# Altium PCB main.PcbDoc (part 5 of 5)
Units mm, origin at the board's own origin, x right, y up, seen from the top; angles counter-clockwise.
Board outline 54 x 86 mm, 8 copper layers (L1, L2, L3, L4, L5, L6, L7, L8), stack 1.624 mm thick; 313 components, 261 nets, 1426 pads, 897 vias.
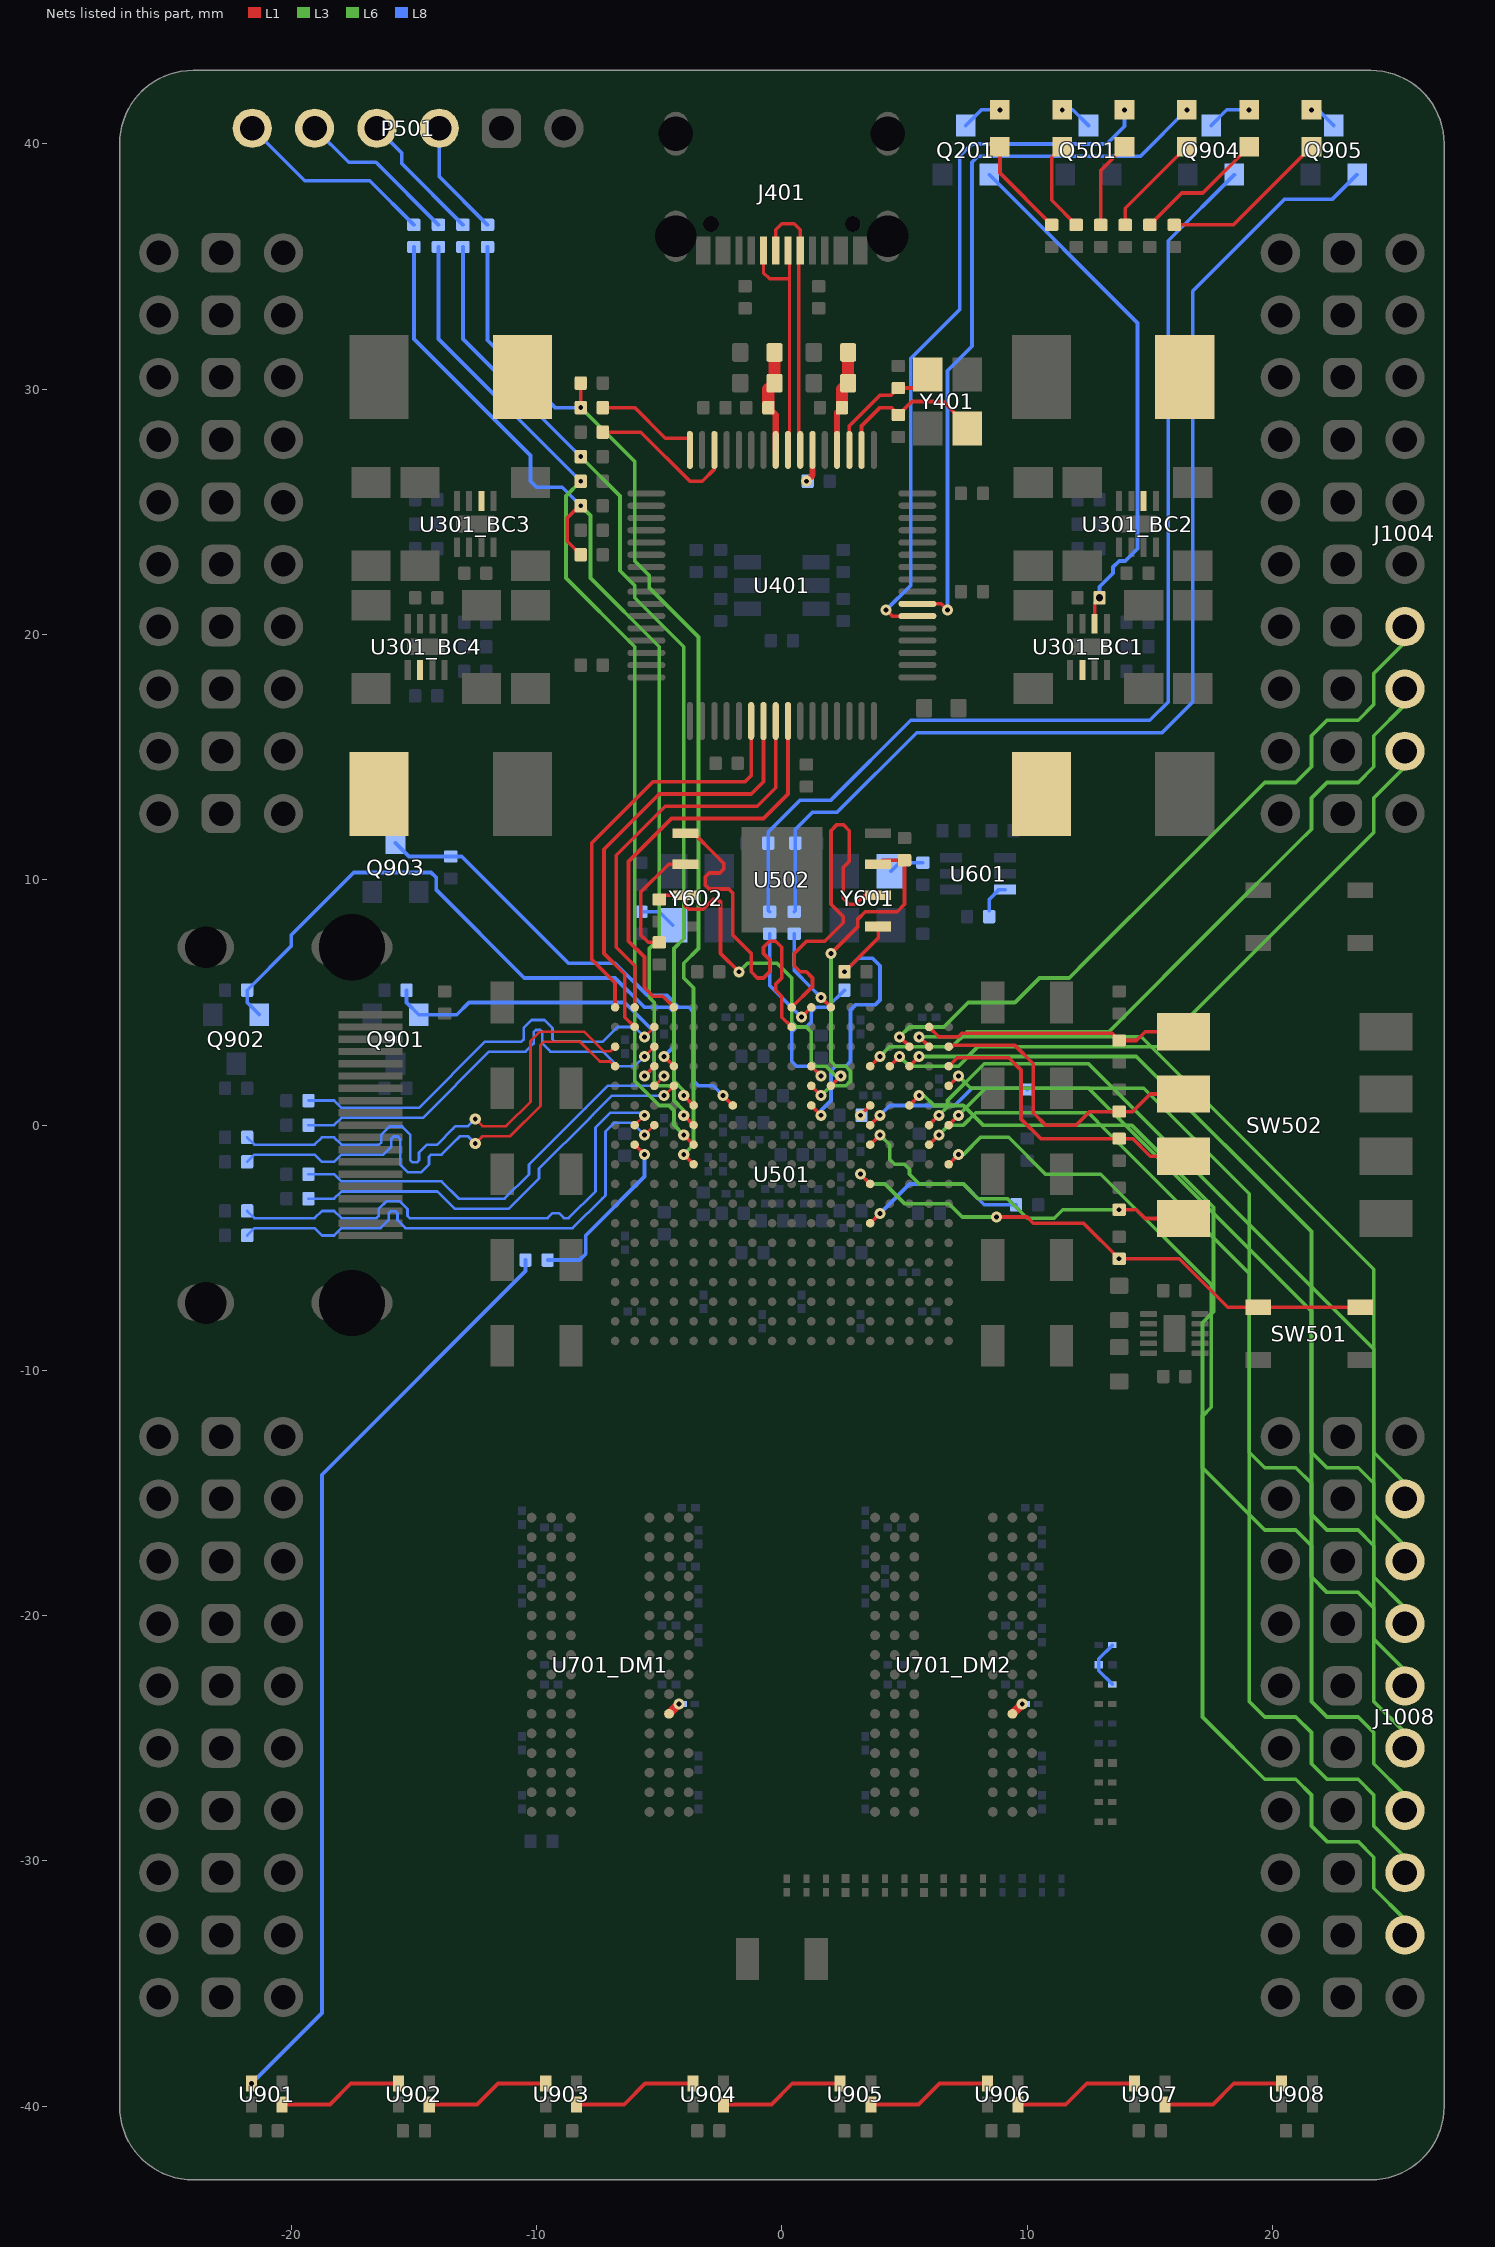
[diagram p11: the nets of this part, all layers, seen from the top]

## Via types
v1: diameter 0.45/0/0/0/0/0/0/0.45 (per signal layer), hole 0.2, L1 to L8, tented both sides, 459 vias
v2: diameter 0.45/0/0/0/0/0/0/0.45 (per signal layer), hole 0.3, L1 to L8, tented both sides, 203 vias
v3: diameter 0.45/0/0/0/0/0.45/0/0.45 (per signal layer), hole 0.2, L1 to L8, tented both sides, 98 vias
v4: diameter 0.5/0/0/0/0/0/0/0.5 (per signal layer), hole 0.3, L1 to L8, tented both sides, 72 vias
v5: diameter 0.45/0/0.45/0/0/0/0/0.45 (per signal layer), hole 0.2, L1 to L8, tented both sides, 58 vias
v6: diameter 0.45/0/0.45/0/0/0.45/0/0.45 (per signal layer), hole 0.2, L1 to L8, tented both sides, 6 vias
v7: diameter 0.45/0/0.45/0/0/0/0/0.45 (per signal layer), hole 0.3, L1 to L8, tented both sides, 1 vias

## Nets (pads, with @x,y where several pads share a name; then routed paths per layer and width w, separated by ;. In a path a pad name is that pad's centre, name@x,y a point inside that pad or via, vN(x,y) a via of type N, cw(c..) or ccw(c..) an arc to the next point about the centre after c; other vN are vias at no path point) (continued)
GPIO53: J1004.7 U501.T16 | length 30
  L1 w0.15: v3(4.8,3.6) U501.T16@5.2,3.2
  L6 w0.15: v3(4.8,3.6) 5.2,4 6.6,4 7.6,5 9.5,5 10.5,6 11.715,6 12.482,6.767 15.983,10.268 19.685,13.97 20.955,13.97 21.59,14.605 21.59,15.875 22.225,16.51 23.495,16.51 24.13,17.145 24.13,18.415 25.4,19.685 J1004.7@25.4,20.32
GPIO54: J1004.8 U501.P15 | length 30
  L1 w0.15: U501.P15@3.6,2.4 v3(4,2.8)
  L6 w0.15: v3(4,2.8) 4.4,3.2 6.95,3.2 7.55,3.8 13.325,3.8 17.762,8.237 21.013,11.488 21.59,12.065 21.59,13.335 22.225,13.97 23.495,13.97 24.13,14.605 24.13,15.875 25.4,17.145 J1004.8@25.4,17.78
GPIO55: J1004.9 U501.R15 | length 27.8
  L1 w0.15: U501.R15@4.4,2.4 v3(4.8,2.8)
  L6 w0.15: v3(4.8,2.8) 5.2,2.4 7.2,2.4 8,3.2 15.4,3.2 15.975,3.775 19.6,7.4 24.13,11.93 24.13,13.335 25.4,14.605 J1004.9@25.4,15.24
GPIO56: J1008.2 U501.U12 | length 30.8
  L1 w0.15: U501.U12@6,0 v3(6.4,0.4)
  L6 w0.15: v3(6.4,0.4) 6.75,0.75 6.75,1 8.25,2.5 12.5,2.5 24.13,-9.13 24.13,-13.335 25.4,-14.605 J1008.2@25.4,-15.24
GPIO57: J1008.3 U501.V12 | length 31.7
  L1 w0.15: U501.V12@6.8,0 v3(7.2,0.4)
  L6 w0.15: v3(7.2,0.4) 7.6,0.8 8.3,1.5 12.5,1.5 21.59,-7.59 21.59,-11.5 21.59,-13.335 22.225,-13.97 23.495,-13.97 24.13,-14.605 24.13,-15.875 25.4,-17.145 J1008.3@25.4,-17.78
GPIO58: J1008.4 U501.U11 | length 34.7
  L1 w0.15: U501.U11@6,-0.8 v3(6.4,-0.4)
  L6 w0.15: v3(6.4,-0.4) 6.8,0 7.4,0 7.9,0.5 9.25,0.5 12.5,0.5 13.25,-0.25 19.05,-6.05 19.05,-6.25 19.05,-9.5 19.05,-10.25 19.05,-12 19.05,-13.335 19.685,-13.97 20.955,-13.97 21.59,-14.605 21.59,-15.875 22.225,-16.51 23.495,-16.51 24.13,-17.145 24.13,-18.415 25.4,-19.685 J1008.4@25.4,-20.32
GPIO59: J1008.5 U501.V10 | length 35.1
  L1 w0.15: U501.V10@6.8,-1.6 v3(7.2,-1.2)
  L6 w0.15: v3(7.2,-1.2) 7.4,-1.2 8.1,-0.5 9.25,-0.5 10.75,-2 13,-2 17.5,-6.5 17.5,-11.5 17.145,-11.855 17.145,-13.97 19.685,-16.51 20.955,-16.51 21.59,-17.145 21.59,-18.415 22.225,-19.05 23.495,-19.05 24.13,-19.685 24.13,-20.955 25.4,-22.225 J1008.5@25.4,-22.86
GPIO60: J1008.6 U501.U16 | length 43.1
  L1 w0.15: v5(5.6,3.6) U501.U16@6,3.2
  L3 w0.15: v5(5.6,3.6) 7.65,3.6 14.65,3.6 24.13,-5.88 24.13,-23.495 25.4,-24.765 J1008.6@25.4,-25.4
GPIO61: J1008.7 U501.T15 | length 45.4
  L1 w0.15: U501.T15@5.2,2.4 v5(5.6,2.8)
  L3 w0.15: v5(5.6,2.8) 7.6,2.8 14.45,2.8 21.59,-4.34 21.59,-7 21.59,-10.462 21.59,-23.495 22.225,-24.13 23.495,-24.13 24.13,-24.765 24.13,-26.035 25.4,-27.305 J1008.7@25.4,-27.94
GPIO62: J1008.8 U501.V14 | length 46.2
  L1 w0.15: U501.V14@6.8,1.6 v5(7.2,2)
  L3 w0.15: v5(7.2,2) 7.7,1.5 14.75,1.5 19.05,-2.8 19.05,-5.75 19.05,-11.75 19.05,-23.495 19.685,-24.13 20.955,-24.13 21.59,-24.765 21.59,-26.035 22.225,-26.67 23.495,-26.67 24.13,-27.305 24.13,-28.575 25.4,-29.845 J1008.8@25.4,-30.48
GPIO63: J1008.9 U501.T13 | length 49.2
  L1 w0.15: U501.T13@5.2,0.8 v5(5.6,1.2)
  L3 w0.15: v5(5.6,1.2) 5.8,1.2 6.2,0.8 7.4,0.8 8.2,0 14.25,0 17.6,-3.35 17.6,-7.6 17.145,-8.055 17.145,-24.13 19.685,-26.67 20.955,-26.67 21.59,-27.305 21.59,-28.575 22.225,-29.21 23.495,-29.21 24.13,-29.845 24.13,-31.115 25.4,-32.385 J1008.9@25.4,-33.02
HDMI.CLK_1_N: C908.1 U501.C17 | length 17.2
  L1 w0.108: v1(-5.6,3.6) U501.C17@-5.2,4
  L8 w0.108: C908.1@-19.3,1 -18.25,1 -17.954,0.704 -14.796,0.704 -12.1,3.4 -10.791,3.4 -10.618,3.4 -10.528,3.49 -10.528,3.958 -10.199,4.287 -9.682,4.287 -9.353,3.958 -9.353,3.49 -9.264,3.4 -8.5,3.4 -7.3,3.4 -6.7,4 -6,4 v1(-5.6,3.6)
HDMI.CLK_1_P: C907.1 U501.C16 | length 17.2
  L1 w0.108: v1(-5.6,2.8) U501.C16@-5.2,3.2
  L8 w0.108: C907.1@-19.3,0 -18.25,0 -17.954,0.296 -14.627,0.296 -11.931,2.992 -10.791,2.992 -10.449,2.992 -10.12,3.32 -10.12,3.789 -10.03,3.878 -9.851,3.878 -9.762,3.789 -9.762,3.32 -9.433,2.992 -8.5,2.992 -7.292,2.992 -6.7,2.4 -6,2.4 v1(-5.6,2.8)
HDMI.D0_1_N: C906.1 U501.A16 | length 21.6
  L1 w0.108: v1(-12.5,0.25) -12.204,-0.046 -11.246,-0.046 -10.25,0.95 -10.25,3.427 -9.877,3.8 -8.05,3.8 -7.254,3.004 -6.996,3.004 U501.A16@-6.8,3.2
  L8 w0.108: C906.1@-21.8,-0.5 -21.504,-0.796 -19.046,-0.796 -18.75,-0.5 -18.25,-0.5 -17.954,-0.796 -16.59,-0.796 -16.417,-0.796 -16.327,-0.706 -16.327,-0.388 -15.998,-0.059 -15.481,-0.059 -15.152,-0.388 -15.152,-1.431 -15.063,-1.521 -14.884,-1.521 -14.794,-1.431 -14.794,-1.125 -14.466,-0.796 -14.046,-0.796 -13.398,-0.148 -13.296,-0.046 -12.796,-0.046 v1(-12.5,0.25)
HDMI.D0_1_P: C905.1 U501.A15 | length 21.6
  L1 w0.108: v1(-12.5,-0.75) -12.204,-0.454 -11.077,-0.454 -9.842,0.781 -9.842,3.258 -9.708,3.392 -8.219,3.392 -7.423,2.596 -6.996,2.596 U501.A15@-6.8,2.4
  L8 w0.108: C905.1@-21.8,-1.5 -21.504,-1.204 -19.046,-1.204 -18.75,-1.5 -18.25,-1.5 -17.954,-1.204 -16.59,-1.204 -16.247,-1.204 -15.919,-0.875 -15.919,-0.557 -15.829,-0.468 -15.65,-0.468 -15.561,-0.557 -15.561,-1.6 -15.232,-1.929 -14.715,-1.929 -14.386,-1.6 -14.386,-1.294 -14.296,-1.204 -13.877,-1.204 -13.398,-0.725 -13.127,-0.454 -12.796,-0.454 v1(-12.5,-0.75)
HDMI.D1_1_N: C904.1 U501.C14 | length 17.8
  L1 w0.108: U501.C14@-5.2,1.6 v1(-4.8,2)
  L8 w0.108: C904.1@-19.3,-2 -18.25,-2 -17.954,-2.296 -13.877,-2.296 -13.173,-3 -11.3,-3 -10.308,-2.008 -10.308,-1.608 -8,0.7 -7.092,1.608 -5.2,1.608 -5.2,1.6 v1(-4.8,2)
HDMI.D1_1_P: C903.1 U501.D14 | length 17.6
  L1 w0.108: v1(-4.8,1.2) U501.D14@-4.4,1.6
  L8 w0.108: C903.1@-19.3,-3 -18.25,-3 -17.954,-2.704 -14.046,-2.704 -13.342,-3.408 -11.131,-3.408 -9.9,-2.177 -9.9,-1.777 -7.831,0.292 -7.711,0.411 -6.923,1.2 -5.2,1.2 v1(-4.8,1.2)
HDMI.D2_1_N: C902.1 U501.B12 | length 21.5
  L1 w0.108: U501.B12@-6,0 v1(-5.6,0.4)
  L8 w0.108: C902.1@-21.8,-3.5 -21.504,-3.796 -19.046,-3.796 -18.75,-3.5 -18.25,-3.5 -17.954,-3.796 -16.7,-3.796 -16.526,-3.796 -16.437,-3.706 -16.437,-3.429 -16.108,-3.1 -15.591,-3.1 -15.262,-3.429 -15.262,-3.706 -15.173,-3.796 -14.836,-3.796 -9.6,-3.796 -9.546,-3.796 -9.342,-3.592 -9.092,-3.592 -8.888,-3.796 -8.744,-3.796 -8.696,-3.796 -7.6,-2.7 -7.6,-0.1 -7,0.5 -5.7,0.5 v1(-5.6,0.4)
HDMI.D2_1_P: C901.1 U501.C12 | length 21.5
  L1 w0.108: v1(-5.6,-0.4) U501.C12@-5.2,0
  L8 w0.108: C901.1@-21.8,-4.5 -21.504,-4.204 -19.046,-4.204 -18.75,-4.5 -18.25,-4.5 -17.954,-4.204 -16.7,-4.204 -16.357,-4.204 -16.029,-3.875 -16.029,-3.598 -15.939,-3.508 -15.76,-3.508 -15.67,-3.598 -15.67,-3.875 -15.342,-4.204 -14.836,-4.204 -8.527,-4.204 -7.311,-2.989 -7.192,-2.869 -7.192,-0.269 -6.823,0.1 -6.1,0.1 -6,0 v1(-5.6,-0.4)
HDMI.HPD#_1: Q903.3 R905.2 U501.G13 | length 19.8
  L1 w0.15: v1(-2.4,1.2) U501.G13@-2,0.8
  L8 w0.15: Q903.3@-15.75,11.5 -15.2,10.95 R905.2@-13.5,10.95 -13.05,10.95 -8.7,6.6 -6.8,6.6 -5.5,5.3 -4.7,5.3 -4.2,4.8 -3.8,4.8 -3.6,4.6 -3.6,1.8 -3.4,1.6 -2.8,1.6 v1(-2.4,1.2)
HDMI.SCL_1: Q901.2 R901.1 U501.C15 | length 14
  L1 w0.15: v1(-5.6,2) U501.C15@-5.2,2.4
  L8 w0.15: R901.1@-15.3,5.5 -15.3,5 Q901.2@-14.8,4.5 -13.25,4.5 -12.75,5 -7.6,5 -6.4,5 -5.2,3.8 -5.2,2.4 v1(-5.6,2)
HDMI.SDA_1: Q902.2 R902.1 U501.D15 | length 26
  L1 w0.15: v1(-4.8,2.8) U501.D15@-4.4,2.4
  L8 w0.15: Q902.2@-21.3,4.5 -21.8,5 R902.1@-21.8,5.5 -20,7.3 -20,7.75 -17.45,10.3 -14.3,10.3 -14.084,10.084 -14.084,9.584 -10.5,6 -6.8,6 -5.6,4.8 -4.6,4.8 -4.4,4.6 -4.4,3.2 v1(-4.8,2.8)
HDR_TCK_6: P501.3 R507.1 | length 4.8
  L8 w0.15: P501.3@-13.97,40.64 -13.97,38.67 R507.1@-12,36.7
HDR_TDI_6: P501.5 R505.1 | length 6.7
  L8 w0.15: P501.5@-19.05,40.64 -17.66,39.25 -16.55,39.25 R505.1@-14,36.7
HDR_TDO_6: P501.4 R506.1 | length 5.4
  L8 w0.15: P501.4@-16.51,40.64 -15.5,39.63 -15.5,39.2 R506.1@-13,36.7
HDR_TMS_6: P501.6 R504.1 | length 8.2
  L8 w0.15: P501.6@-21.59,40.64 -19.45,38.5 -16.8,38.5 R504.1@-15,36.7
INIT#_6: R502.2 U501.P7 | length 7
  L1 w0.15: U501.P7@3.6,-4 v1(4,-3.6)
  L8 w0.15: v1(4,-3.6) 5.2,-2.4 7.4,-2.4 8.25,-3.25 R502.2@9.55,-3.25
JTAG.TCK_1: R404.1 R507.2 R508.2 U501.E10 | length 43.3
  L1 w0.15: v5(-8.2,29.25) R508.2@-8.2,30.25 ; v5(-4,-1.2) U501.E10@-3.6,-1.6
  L3 w0.15: v5(-8.2,29.25) -6,27.05 -6,23 -5.4,22.4 -5.4,21.9 -3.4,19.9 -3.4,7.2 -4,6.6 -4,6 -3.6,5.6 -3.6,-0.8 v5(-4,-1.2)
  L8 w0.15: R507.2@-12,35.8 -12,32 -9.25,29.25 v5(-8.2,29.25)
JTAG.TDI_1: R405.1 R505.2 U501.E11 | length 41.6
  L1 w0.15: v5(-4,-0.4) U501.E11@-3.6,-0.8
  L3 w0.15: v5(-8.2,26.25) -8.8,25.65 -8.8,22.3 -6,19.5 -6,6 -6,5.6 -6,1.8 -5,0.8 -4.6,0.8 -4.4,0.6 -4.4,0 v5(-4,-0.4)
  L8 w0.15: R505.2@-14,35.8 -14,32.05 v5(-8.2,26.25)
JTAG.TDO_1: R406.1 R506.2 U501.E13 | length 39.2
  L1 w0.15: v5(-4,1.2) U501.E13@-3.6,0.8
  L3 w0.15: v5(-8.2,27.25) -6.6,25.65 -6.6,22.6 -6,22 -6,21.5 -4,19.5 -4,7.6 -4.4,7.2 -4.4,5.6 -4.4,1.8 -4,1.4 v5(-4,1.2)
  L8 w0.15: R506.2@-13,35.8 -13,32.05 v5(-8.2,27.25)
JTAG.TMS_1: R407.1 R504.2 R509.2 U501.E12 | length 44.2
  L1 w0.15: R509.2@-8.2,23.25 -8.75,23.8 -8.75,24.75 -8.25,25.25 v5(-8.2,25.25) ; v5(-4,0.4) U501.E12@-3.6,0
  L3 w0.15: v5(-8.2,25.25) -7.8,24.85 -7.8,22.3 -5,19.5 -5,7.6 -5.4,7.2 -5.4,5.6 -5.4,5.2 -5.2,5 -5.2,1.8 -5,1.6 -4.6,1.6 -4.4,1.4 -4.4,1 -4,0.6 v5(-4,0.4)
  L8 w0.15: R504.2@-15,35.8 -15,32.05 -10.25,27.3 -10.25,26.25 -10,26 -8.95,26 v5(-8.2,25.25)
LED0_1: R909.1 U501.L18 | length 4.5
  L1 w0.15: v1(0.8,4.4) U501.L18@1.2,4.8
  L8 w0.15: R909.1@-0.5,7.8 -0.5,5.7 -0.4,5.6 v1(0.8,4.4)
LED1_1: R910.1 U501.M18 | length 3.6
  L1 w0.15: v1(1.6,5.2) U501.M18@2,4.8
  L8 w0.15: R910.1@0.5,7.8 0.5,6.3 1.2,5.6 v1(1.6,5.2)
M0_6: R512.2 U501.P12 | length 7
  L1 w0.15: U501.P12@3.6,0 v1(4,0.4)
  L8 w0.15: v1(4,0.4) 4.4,0.8 7.05,0.8 7.6,1.35 7.75,1.5 9.95,1.5 R512.2@10,1.45
M1_6: R516.2 U501.P13 | length 0.6
  L1 w0.15: v1(3.2,0.4) U501.P13@3.6,0.8
M2_6: R520.2 SW502.4 U501.P11 | length 15.1
  L1 w0.15: U501.P11@3.6,-0.8 v5(4,-0.4) ; v5(13.75,-3.45) 14.45,-3.45 14.81,-3.81 SW502.4@16.37,-3.81
  L3 w0.15: v5(4,-0.4) 4.4,-0.8 4.4,-1.4 4.6,-1.6 5,-1.6 5.2,-1.8 5.2,-2 5.6,-2.4 7.4,-2.4 8,-3 9.2,-3 10,-3.8 11.1,-3.8 11.45,-3.45 v5(13.75,-3.45)
NetC809_2: C809.2 R825.1 R826.2 | length 2.1
  L8 w0.15: R826.2@13.475,-22.8 12.92,-22.245 C809.2@12.92,-22 12.92,-21.755 R825.1@13.475,-21.2
NetDS201_1: DS201.1 R207.2 | length 4.1
  L1 w0.15: DS201.1@8.89,39.89 8.89,38.81 R207.2@11,36.7
NetDS201_2: DS201.2 Q201.3 | length 1.7
  L8 w0.15: Q201.3@7.5,40.75 8.14,41.39 v1(8.89,41.39)
NetDS401_1: DS401.1 R414.2 | length 3.6
  L1 w0.15: R414.2@13,36.7 13,38.92 DS401.1@13.97,39.89
NetDS402_1: DS402.1 R415.2 | length 4.2
  L1 w0.15: R415.2@14,36.7 14,37.38 DS402.1@16.51,39.89
NetDS501_1: DS501.1 R510.2 | length 3.8
  L1 w0.15: DS501.1@11.43,39.89 11,39.46 11,37.7 R510.2@12,36.7
NetDS501_2: DS501.2 Q501.3 | length 1.3
  L8 w0.15: v1(11.43,41.39) 11.86,41.39 Q501.3@12.5,40.75
NetDS901_1: DS901.1 R906.2 | length 5.4
  L1 w0.15: R906.2@15,36.7 16.3,38 17.16,38 DS901.1@19.05,39.89
NetDS901_2: DS901.2 Q904.3 | length 1.8
  L8 w0.15: Q904.3@17.5,40.75 18.14,41.39 v1(19.05,41.39)
NetDS902_1: DS902.1 R907.2 | length 6.9
  L1 w0.15: R907.2@16,36.7 18.4,36.7 DS902.1@21.59,39.89
NetDS902_2: DS902.2 Q905.3 | length 1.2
  L8 w0.15: v1(21.59,41.39) 21.86,41.39 Q905.3@22.5,40.75
NetQ904_1: Q904.1 R909.2 R912.1 | length 44.4
  L8 w0.15: R909.2@-0.5,8.7 -0.55,8.75 R912.1@-0.55,11.5 -0.55,11.95 0.75,13.25 2,13.25 5.25,16.5 15,16.5 15.75,17.25 15.75,36.05 Q904.1@18.45,38.75
NetQ905_1: Q905.1 R910.2 R913.1 | length 47.1
  L8 w0.15: R910.2@0.5,8.7 0.55,8.75 R913.1@0.55,11.5 0.55,12.05 1.25,12.75 2.25,12.75 5.5,16 15.5,16 16.75,17.25 16.75,34 20.5,37.75 22.45,37.75 Q905.1@23.45,38.75
NetR601_1: R601.1 Y601.3 | length 1.4
  L8 w0.15: Y601.3@4.45,10.35 4.8,10.7 R601.1@5.75,10.7
NetR602_1: R602.1 U601.3 | length 1.3
  L8 w0.15: R602.1@8.45,8.75 8.45,9.2 8.85,9.6 U601.3@9.1,9.6
NetR603_1: R603.1 Y602.3 | length 1.5
  L8 w0.15: R603.1@-5.75,8.7 -5,8.7 Y602.3@-4.45,8.15
NetR914_2: R914.2 U901.2 | length 38.2
  L8 w0.15: v1(-21.625,-39.075) -18.75,-36.2 -18.75,-14.25 -10.45,-5.95 R914.2@-10.45,-5.5
NetU901_4: U901.4 U902.2 | length 5.1
  L1 w0.15: U901.4@-20.375,-39.925 -18.425,-39.925 -17.575,-39.075 U902.2@-15.625,-39.075
NetU902_4: U902.4 U903.2 | length 5.1
  L1 w0.15: U902.4@-14.375,-39.925 -12.425,-39.925 -11.575,-39.075 U903.2@-9.625,-39.075
NetU903_4: U903.4 U904.2 | length 5.1
  L1 w0.15: U903.4@-8.375,-39.925 -6.425,-39.925 -5.575,-39.075 U904.2@-3.625,-39.075
NetU904_4: U904.4 U905.2 | length 5.1
  L1 w0.15: U904.4@-2.375,-39.925 -0.425,-39.925 0.425,-39.075 U905.2@2.375,-39.075
NetU905_4: U905.4 U906.2 | length 5.1
  L1 w0.15: U905.4@3.625,-39.925 5.575,-39.925 6.425,-39.075 U906.2@8.375,-39.075
NetU906_4: U906.4 U907.2 | length 5.1
  L1 w0.15: U906.4@9.625,-39.925 11.575,-39.925 12.425,-39.075 U907.2@14.375,-39.075
NetU907_4: U907.4 U908.2 | length 5.1
  L1 w0.15: U907.4@15.625,-39.925 17.575,-39.925 18.425,-39.075 U908.2@20.375,-39.075
OSCI_4: C414.1 U401.2 Y401.1 | length 6.5
  L1 w0.15: U401.2@3.25,27.525 3.25,28.5 4,29.25 4.45,29.25 C414.1@4.75,28.95 5.3,29.5 6.578,29.5 7.55,28.528 Y401.1@7.55,28.4
OSCO_4: C415.1 U401.3 Y401.3 | length 5
  L1 w0.15: U401.3@2.75,27.525 2.75,28.5 4,29.75 4.45,29.75 C415.1@4.75,30.05 5.4,30.05 Y401.3@5.95,30.6
PG: Q201.1 R301_BC1.2 U301_BC1.2 | length 21.7
  L1 w0.15: U301_BC1.2@12.75,20.445 12.75,21.3 v2(12.95,21.5)
  L8 w0.15: Q201.1@8.45,38.75 14.5,32.7 14.5,23.5 14,23 13.75,23 13.5,22.75 13.5,22.5 12.95,21.95 v2(12.95,21.5)
PROGRAM#_6: R501.2 SW501.1 SW501.2 U501.P9 | length 23.2
  L1 w0.15: v5(3.2,-2) U501.P9@3.6,-2.4 ; v5(8.75,-3.75) 10,-3.75 10.25,-4 12.3,-4 v1(13.75,-5.45) 16.2,-5.45 18.175,-7.425 SW501.1@19.425,-7.425 SW501.2@23.575,-7.425
  L3 w0.15: v5(3.2,-2) 3.6,-2.4 4.2,-2.4 5,-3.2 6.8,-3.2 7.35,-3.75 7.6,-3.75 v5(8.75,-3.75)
PUDC#_7: R521.2 U501.L15 | length 6.3
  L1 w0.15: U501.L15@1.2,2.4 v1(1.6,2)
  L8 w0.15: v1(1.6,2) 1.2,2.4 0.6,2.4 0.4,2.6 0.4,3.8 0.6,4 1,4 1.2,4.2 1.2,4.6 1.4,4.8 1.85,4.8 R521.2@2.55,5.5
QSPI.CS#_1: R513.2 U501.L13 U502.1 | length 12.6
  L1 w0.15: U501.L13@1.2,0.8 v1(1.6,0.4) ; v1(2.55,6.25) 3.926,7.626 U502.1@3.926,8.095
  L8 w0.15: v1(1.6,0.4) 1.6,0.6 2,1 2,2.2 2.2,2.4 2.6,2.4 2.8,2.6 2.8,4.7 3,4.9 3.8,4.9 4,5.1 4,6.5 3.7,6.8 3.1,6.8 v1(2.55,6.25)
QSPI.DQ0_1: U501.K17 U502.5 | length 14.9
  L1 w0.15: U502.5@-3.926,11.905 -3.605,11.905 -2.7,11 -2.367,10.667 -2.367,10.437 -2.53,10.275 -2.957,10.275 -3.12,10.112 -3.12,9.787 -2.957,9.625 -2.163,9.625 -2,9.462 -2,8 -2,7.75 -1.25,7 -1.25,6.25 -1,6 -0.75,6 -0.5,6.25 -0.5,6.75 -0.75,7 -0.75,7.25 -0.5,7.5 -0.25,7.5 0,7.25 0,6 -0.25,5.75 -0.25,5.5 0,5.25 0,4.4 U501.K17@0.4,4
QSPI.DQ1_1: U501.K18 U502.2 | length 15
  L1 w0.15: U501.K18@0.4,4.8 1.25,5.65 1.25,6 1,6.25 0.75,6.25 0.5,6.5 0.5,7 1,7.5 1.75,7.5 2.5,8.25 2.5,8.5 2,9 2,12 2.25,12.25 2.5,12.25 2.75,12 2.75,10.75 2.5,10.5 2.5,9.25 2.75,9 3,9 3.365,9.365 U502.2@3.926,9.365
QSPI.DQ2_1: R515.2 U501.L14 U502.3 | length 14.7
  L1 w0.15: U501.L14@1.2,1.6 v5(1.6,1.2) ; v5(2,7) 3.1,8.1 3.1,8.4 3.4,8.7 4.7,8.7 5,9 R515.2@5,10.8 4.091,10.8 U502.3@3.926,10.635
  L3 w0.15: v5(1.6,1.2) 2,1.6 2.6,1.6 2.8,1.8 2.8,2.2 2.6,2.4 2.2,2.4 2,2.6 v5(2,7)
QSPI.DQ3_1: R514.2 U501.M14 U502.7 | length 15
  L1 w0.15: R514.2@-5,9.2 -4.835,9.365 U502.7@-3.926,9.365 -3.926,8.926 -3.8,8.8 -3.2,8.8 -2.8,9.2 -2.6,9.2 -2.5,9.1 -2.5,7 v5(-1.75,6.25) ; U501.M14@2,1.6 v5(2.4,2)
  L3 w0.15: v5(-1.75,6.25) -1.4,6.6 -0.2,6.6 0.4,6 0.4,4.2 0.6,4 1,4 1.2,3.8 1.2,2.6 1.4,2.4 1.8,2.4 2.2,2 v5(2.4,2)
REF_4: R410.1 U401.6 | length 1.4
  L1 w0.25: v1(1,26.25) 1.25,26.5 U401.6@1.25,27.525
RESET#_4: R409.2 U401.14 | length 6.4
  L1 w0.15: R409.2@-7.3,28.25 -5.75,28.25 -3.75,26.25 -3.25,26.25 -2.75,26.75 U401.14@-2.75,27.525
RGB_DAT_1: R914.1 U501.B11 | length 7.3
  L1 w0.15: U501.B11@-6,-0.8 v1(-5.6,-1.2)
  L8 w0.15: R914.1@-9.55,-5.5 -8.25,-5.5 -8,-5.25 -8,-4.5 -7.6,-4.1 -5.6,-2.1 v1(-5.6,-1.2)
RXLED_4: DS402.2 U401.55 | length 29.6
  L1 w0.15: U401.55@5.525,21.25 6.5,21.25 v1(6.75,21)
  L8 w0.15: v1(6.75,21) 6.75,30.75 7.75,31.75 7.75,39.25 8,39.5 14.62,39.5 v1(16.51,41.39)
SCK_6: R511.2 U502.6 | length 4.9
  L1 w0.15: R511.2@-5,7.45 -5.45,7.45 -5.75,7.75 -5.75,9.5 -4.615,10.635 U502.6@-3.926,10.635
SK/TCK_4: R404.2 U401.16 | length 4.5
  L1 w0.15: R404.2@-7.3,29.25 -6,29.25 -4.75,28 -3.75,28 U401.16@-3.75,27.525
SW.SW0_1: R517.1 SW502.1 U501.U17 | length 10.9
  L1 w0.15: U501.U17@6,4 6.4,3.6 7.2,3.6 7.35,3.75 13.45,3.75 13.55,3.65 13.55,3.625 13.725,3.45 R517.1@13.75,3.45 14.45,3.45 14.81,3.81 SW502.1@16.37,3.81
SW.SW1_1: R518.1 SW502.2 U501.V16 | length 12.6
  L1 w0.15: U501.V16@6.8,3.2 6.85,3.25 9.5,3.25 10.25,2.5 10.25,0.5 10.75,0 12,0 12.55,0.55 R518.1@13.75,0.55 14.3,0.55 15.02,1.27 SW502.2@16.37,1.27
SW.SW2_1: R519.1 SW502.3 U501.V15 | length 12.6
  L1 w0.15: U501.V15@6.8,2.4 7.15,2.75 9.25,2.75 9.75,2.25 9.75,0.25 10.55,-0.55 R519.1@13.75,-0.55 14.3,-0.55 15.02,-1.27 SW502.3@16.37,-1.27
SW_BC1: L301_BC1.1 U301_BC1.6
SW_BC2: L301_BC2.1 U301_BC2.6
SW_BC3: L301_BC3.1 U301_BC3.6
SW_BC4: L301_BC4.1 U301_BC4.6
TXLED_4: DS401.2 U401.54 | length 29
  L1 w0.15: v1(4.25,21) 4.5,20.75 U401.54@5.525,20.75
  L8 w0.15: v1(4.25,21) 5.25,22 5.25,31.25 7.25,33.25 7.25,39.5 7.75,40 13.25,40 13.97,40.72 v1(13.97,41.39)
UART.CTS#_1: U401.41 U501.D18 | length 17.6
  L1 w0.15: U501.D18@-4.4,4.8 -4.853,5.253 -5.253,5.253 -5.6,5.6 -5.6,6.85 -6.25,7.5 -6.25,10.75 -4.5,12.5 -0.75,12.5 0.25,13.5 U401.41@0.25,16.475
UART.RTS#_1: U401.40 U501.B18 | length 16.9
  L1 w0.15: U501.B18@-6,4.8 -6,5.6 -6,6.5 -6.75,7.25 -6.75,11 -4.75,13 -1,13 -0.25,13.75 U401.40@-0.25,16.475
UART.RX_1: U401.38 U501.A18 | length 17
  L1 w0.15: U501.A18@-6.8,4.8 -6.8,5.6 -6.8,5.8 -7.75,6.75 -7.75,11.5 -5.25,14 -1.5,14 -1.25,14.25 U401.38@-1.25,16.475
UART.TX_1: U401.39 U501.B17 | length 17.9
  L1 w0.15: U501.B17@-6,4 -6.4,4.4 -6.4,5.6 -6.4,6.15 -7.25,7 -7.25,11.25 -5,13.5 -1.25,13.5 -0.75,14 U401.39@-0.75,16.475
USBD_4_N: J401.A7 J401.B7 U401.7 | length 11.1
  L1 w0.132: J401.A7@-0.25,35.66 -0.25,36.5 0,36.75 0.5,36.75 0.75,36.5 J401.B7@0.75,35.66 0.691,35.601 0.691,27.584 U401.7@0.75,27.525
USBD_4_P: J401.A6 J401.B6 U401.8 | length 10.3
  L1 w0.132: J401.B6@-0.75,35.66 -0.75,34.75 -0.5,34.5 0.309,34.5 ; U401.8@0.25,27.525 0.309,27.584 0.309,34.5 ; J401.A6@0.25,35.66 0.309,35.601 0.309,34.5
VPHY_4: C410.1 C411.1 R402.2 U401.4 | length 4.2
  L1 w0.25: U401.4@2.25,27.525 2.25,29.05 C411.1@2.45,29.25
  L1 w0.5: C411.1@2.45,29.25 2.45,30 C410.1@2.7,30.25 R402.2@2.7,31.5
VPLL_4: C401.1 C402.1 R401.2 U401.9 | length 4.2
  L1 w0.25: C402.1@-0.55,29.25 -0.25,28.95 U401.9@-0.25,27.525
  L1 w0.5: C402.1@-0.55,29.25 -0.55,30 C401.1@-0.3,30.25 R401.2@-0.3,31.5
ZQ_DM1: R701_DM1.1 U701_DM1.L8 | length 0.6
  L1 w0.35: U701_DM1.L8@-4.6,-24 v1(-4.2,-23.6)
ZQ_DM2: R701_DM2.1 U701_DM2.L8 | length 0.6
  L1 w0.35: U701_DM2.L8@9.4,-24 v1(9.8,-23.6)
pads on no net: J401. J401.A8 J401.B8 J901.13 J901.14 U301_BC1.5 U301_BC2.5 U301_BC3.5 U301_BC4.5 U401.21 U401.22 U401.23 U401.24 U401.26 U401.27 U401.28 U401.29 U401.30 U401.32 U401.33 U401.34 U401.36 U401.43 U401.44 U401.45 U401.46 U401.48 U401.52 U401.53 U401.57 U401.58 U401.59 U401.60 U501.A5 U501.A6 U501.A8 U501.A9 U501.A10 U501.A11 U501.B7 U501.B8 U501.B9 U501.B16 U501.C6 U501.C7 U501.C9 U501.C10 U501.C11 U501.D7 U501.D8 U501.D9 U501.D10 U501.D12 U501.D13 U501.E7 U501.F5 U501.F6 U501.G6 U501.H1 U501.H2 U501.H4 U501.H5 U501.H6 U501.J2 U501.J3 U501.J4 U501.J5 U501.K1 U501.K2 U501.K6 U501.L6 U501.N6 U501.P18 U501.R8 U501.T5 U501.T9 U501.U8 U701_DM1.J1 U701_DM1.J9 U701_DM1.L1 U701_DM1.L9 U701_DM1.M7 U701_DM2.J1 U701_DM2.J9 U701_DM2.L1 U701_DM2.L9 U701_DM2.M7 U908.4

## Polygon pours and split planes (outlines as drawn)
"+0.75 VTT" on L1 "NONET_L01_P-001" (solid, remove dead copper, pour order 50): -0.4,-31 -1,-31.6 -1,-36 -0.4,-36.6 16.4,-36.6 18.4,-34.6 18.4,-12 18,-11.6 13.6,-11.6 13.2,-12 13.2,-29.8 12,-31
+1.0 on L1 "NONET_L01_P-001" (solid, remove dead copper, pour order 0): -13.05,18.425 -13.05,13.05 -11.786,11.785 -9.373,11.785 -9.373,18.348 -9.45,18.425
SW_BC4 on L1 "NONET_L01_P-001" (solid, remove dead copper, pour order 1): -14.875,18.955 -14.875,17.967 -17.628,15.214 -17.628,11.785 -15.215,11.785 -14.25,12.75 -14.25,16.75 -14.625,17.125 -14.625,18.955
GND on L1 "NONET_L01_P-001" (solid, remove dead copper, pour order 2): -15.95,17.175 -15.95,18.48 -15.275,19.155 -14.075,19.155 -13.875,18.955 -13.875,18.155 -13.625,18.155 -13.625,18.955 -13.33,19.25 -10.775,19.25 -9.45,20.575 -9.45,21.825 -13.05,21.825 -13.05,20.45 -13.655,19.845 -14.925,19.845 -15.125,20.045 -15.125,20.845 -15.375,20.845 -15.375,20.045 -15.67,19.75 -16.225,19.75 -17.55,18.425 -17.55,17.175
"+5 USB" on L1 "NONET_L01_P-001" (solid, remove dead copper, pour order 3): -17.55,21.825 -14.787,21.825 -14.625,21.663 -14.625,20.045 -14.875,20.045 -14.875,20.845 -15.03,21 -15.525,21 -15.95,20.575 -17.55,20.575
"+1.5 DDR3" on L1 "NONET_L01_P-001" (solid, remove dead copper, pour order 16): 13.95,18.425 13.95,13.05 15.215,11.786 17.628,11.786 17.628,18.348 17.55,18.425
SW_BC1 on L1 "NONET_L01_P-001" (solid, remove dead copper, pour order 17): 12.125,18.955 12.125,17.967 9.373,15.215 9.373,11.786 11.786,11.786 12.75,12.75 12.75,16.75 12.375,17.125 12.375,18.955
GND on L1 "NONET_L01_P-001" (solid, remove dead copper, pour order 18): 11.05,17.175 11.05,18.48 11.725,19.155 12.925,19.155 13.125,18.955 13.125,18.155 13.375,18.155 13.375,18.955 13.67,19.25 16.225,19.25 17.55,20.575 17.55,21.825 13.95,21.825 13.95,20.45 13.345,19.845 12.075,19.845 11.875,20.045 11.875,20.845 11.625,20.845 11.625,20.045 11.33,19.75 10.775,19.75 9.45,18.425 9.45,17.175
"+5 USB" on L1 "NONET_L01_P-001" (solid, remove dead copper, pour order 19): 9.45,21.825 12.213,21.825 12.375,21.663 12.375,20.045 12.125,20.045 12.125,20.845 11.97,21 11.475,21 11.05,20.575 9.45,20.575
+3.3 on L1 "NONET_L01_P-001" (solid, remove dead copper, pour order 20): 13.05,25.575 13.05,30.95 11.786,32.215 9.373,32.215 9.373,25.652 9.45,25.575
SW_BC2 on L1 "NONET_L01_P-001" (solid, remove dead copper, pour order 21): 14.875,25.045 14.875,26.033 17.628,28.786 17.628,32.215 15.215,32.215 14.25,31.25 14.25,27.25 14.625,26.875 14.625,25.045
GND on L1 "NONET_L01_P-001" (solid, remove dead copper, pour order 22): 15.95,26.825 15.95,25.52 15.275,24.845 14.075,24.845 13.875,25.045 13.875,25.845 13.625,25.845 13.625,25.045 13.33,24.75 10.775,24.75 9.45,23.425 9.45,22.175 13.05,22.175 13.05,23.55 13.655,24.155 14.925,24.155 15.125,23.955 15.125,23.155 15.375,23.155 15.375,23.955 15.67,24.25 16.225,24.25 17.55,25.575 17.55,26.825
"+5 USB" on L1 "NONET_L01_P-001" (solid, remove dead copper, pour order 23): 17.55,22.175 14.787,22.175 14.625,22.337 14.625,23.955 14.875,23.955 14.875,23.155 15.03,23 15.525,23 15.95,23.425 17.55,23.425
+1.8 on L1 "NONET_L01_P-001" (solid, remove dead copper, pour order 24): -13.95,25.575 -13.95,30.95 -15.215,32.214 -17.628,32.214 -17.628,25.652 -17.55,25.575
SW_BC3 on L1 "NONET_L01_P-001" (solid, remove dead copper, pour order 25): -12.125,25.045 -12.125,26.033 -9.373,28.786 -9.373,32.214 -11.786,32.214 -12.75,31.25 -12.75,27.25 -12.375,26.875 -12.375,25.045
GND on L1 "NONET_L01_P-001" (solid, remove dead copper, pour order 26): -11.05,26.825 -11.05,25.52 -11.725,24.845 -12.925,24.845 -13.125,25.045 -13.125,25.845 -13.375,25.845 -13.375,25.045 -13.67,24.75 -16.225,24.75 -17.55,23.425 -17.55,22.175 -13.95,22.175 -13.95,23.55 -13.345,24.155 -12.075,24.155 -11.875,23.955 -11.875,23.155 -11.625,23.155 -11.625,23.955 -11.33,24.25 -10.775,24.25 -9.45,25.575 -9.45,26.825
"+5 USB" on L1 "NONET_L01_P-001" (solid, remove dead copper, pour order 27): -9.45,22.175 -12.213,22.175 -12.375,22.337 -12.375,23.955 -12.125,23.955 -12.125,23.155 -11.97,23 -11.475,23 -11.05,23.425 -9.45,23.425
no net on Top Overlay "NONET_L01_P-001" (solid): -12.7,41.91 -10.16,41.91 -10.16,39.37 -12.7,39.37
no net on Top Overlay "NONET_L01_P-001" (solid): 21.59,11.43 21.59,36.83 24.13,36.83 24.13,11.43
no net on Top Overlay "NONET_L01_P-001" (solid): -24.13,11.43 -24.13,36.83 -21.59,36.83 -21.59,11.43
no net on Top Overlay "NONET_L01_P-001" (solid): 21.59,-36.83 21.59,-11.43 24.13,-11.43 24.13,-36.83
no net on Top Overlay "NONET_L01_P-001" (solid): -24.13,-36.83 -24.13,-11.43 -21.59,-11.43 -21.59,-36.83
no net on Bottom Overlay "NONET_L01_P-001" (solid): 21.59,11.43 21.59,36.83 24.13,36.83 24.13,11.43
no net on Bottom Overlay "NONET_L01_P-001" (solid): -24.13,11.43 -24.13,36.83 -21.59,36.83 -21.59,11.43
no net on Bottom Overlay "NONET_L01_P-001" (solid): 21.59,-36.83 21.59,-11.43 24.13,-11.43 24.13,-36.83
no net on Bottom Overlay "NONET_L01_P-001" (solid): -24.13,-36.83 -24.13,-11.43 -21.59,-11.43 -21.59,-36.83
GND on L2 "NONET_L01_P-001" (solid, remove dead copper, pour order 28): -27,43 -27,-43 27,-43 27,43
"+5 USB" on L4 "+5" (solid, remove dead copper, pour order 49): -27,43 -27,-43 27,-43 27,43
"+1.5 DDR3" on L4 "+1.5" (solid, remove dead copper, pour order 46): 16.25,19.5 18.5,17.25 18.5,-4 16.5,-6 16,-6.5 16,-7 16.75,-7.75 18,-7.75 18.5,-8.25 18.5,-35.5 16,-38 -16,-38 -18.5,-35.5 -18.5,-8.25 -13.25,-3 6.5,-3 10,0.5 10,17.5 12,19.5
+1.0 on L4 "g" (solid, remove dead copper, pour order 44): -17,-7.25 -8.5,-7.25 -7.5,-6.25 -7.5,-4.7 -6.8,-4 -4.4,-4 -3.6,-4.8 3.5,-4.8 3.9,-5.2 4.8,-5.2 5.6,-4.4 5.6,-3.6 6,-3.2 6.6,-3.2 7.1,-3.7 7.1,-5.6 8,-6.5 9,-6.5 9.5,-6 9.5,-0.25 9.25,0 6.8,0 4.7,-2.1 4.7,-2.9 4.4,-3.2 3.8,-3.2 3.4,-2.8 3.4,-0.2 3.2,0 -4.4,0 -6.1,-1.7 -6.6,-1.7 -7.5,-0.8 -7.5,18.05 -8.95,19.5 -14,19.5 -17,16.5
+3.3 on L4 "+3.3" (solid, remove dead copper, pour order 47): -9.25,31 -7.75,32.5 9,32.5 13.25,28.25 13.25,25.75 11,23.5 9.5,23.5 9,23 9,21 13,17 13,-4.5 -9.25,-4.5
+1.8 on L4 "+1.8" (solid, remove dead copper, pour order 43): -18,25.75 -15.75,23.5 -10,23.5 -9.25,22.75 -9.25,22 -11,20.25 -11,19.5 -9.25,17.75 -9.25,17.25 -10,16.5 -10,4.5 -8,2.5 -8,-2.25 -7.75,-2.5 -3.9,-2.5 -3.4,-3 -3,-3 -2.9,-2.9 -2.9,-2.5 -3.2,-2.2 -3.2,-1.5 -2.6,-0.9 -1.9,-0.9 -1,-1.8 -0.7,-1.8 -0.4,-1.5 -0.4,-1.1 -0.1,-0.8 1.8,-0.8 2.4,-0.2 2.4,0 2,0.4 -1.2,0.4 -1.5,0.7 -2.5,0.7 -2.8,0.4 -3.9,0.4 -5.9,-1.6 -6.65,-1.6 -7,-1.25 -7,3.75 -5.5,5.25 -5.5,16.25 -7.75,18.5 -7.75,25.75 -9.25,27.25 -17.5,27.25 -18,26.75
"+1.8 FTDI_4" on L4 "+1.8 FTDI" (solid, remove dead copper, pour order 35): -2,17.75 -1.5,17.25 4.5,17.25 5,17.75 5,26.25 4.5,26.75 -1.5,26.75 -2,26.25 -2,23.25 1,20.25 1,19.25 0.5,18.75 -1.75,18.75 -2,18.5
GND on L7 "NONET_L01_P-001" (solid, remove dead copper, pour order 29): -27,43 -27,-43 27,-43 27,43
GND on L5 "NONET_L01_P-001" (solid, remove dead copper, pour order 30): -27,43 -27,-43 27,-43 27,43
"+0.75 VTT" on L8 "NONET_L01_P-001" (solid, remove dead copper, pour order 51): -0.4,-31 -1,-31.6 -1,-36 -0.4,-36.6 16.4,-36.6 18.4,-34.6 18.4,-8.6 18,-8.2 13,-8.2 12.6,-8.6 12.6,-11.2 13.2,-11.8 13.2,-29.8 12,-31
GND on L3 "NONET_L01_P-001" (solid, remove dead copper, pour order 52): -27,43 -27,-43 27,-43 27,43
GND on L6 "NONET_L01_P-001" (solid, remove dead copper, pour order 54): -27,43 -27,-43 27,-43 27,43

## Other copper
L1:
  text "Charles Surianto" at -17.5,-35.593 h2
  text "Jan 2026" at -17.5,-37.553 h2
L3:
  pour cut-out: 26.67,11.43 19.05,11.43 19.05,36.83 26.67,36.83
  pour cut-out: 26.67,-11.43 19.05,-11.43 19.05,-36.83 26.67,-36.83
  pour cut-out: -26.67,-11.43 -19.05,-11.43 -19.05,-36.83 -26.67,-36.83
  pour cut-out: -22.86,41.91 -7.62,41.91 -7.62,39.37 -22.86,39.37
  pour cut-out: -26.67,11.43 -19.05,11.43 -19.05,36.83 -26.67,36.83
  pour cut-out: -13,-4 13,-4 13,-31 -13,-31
L6:
  pour cut-out: -13,-4 13,-4 13,-31 -13,-31
  pour cut-out: -26.67,-11.43 -19.05,-11.43 -19.05,-36.83 -26.67,-36.83
  pour cut-out: -22.86,41.91 -7.62,41.91 -7.62,39.37 -22.86,39.37
  pour cut-out: -26.67,11.43 -19.05,11.43 -19.05,36.83 -26.67,36.83
  pour cut-out: 26.67,-11.43 19.05,-11.43 19.05,-36.83 26.67,-36.83
  pour cut-out: 26.67,11.43 19.05,11.43 19.05,36.83 26.67,36.83

## Silkscreen, mask and mechanical layers (free items; w line width, h text height)
Top Overlay:
  drawing of 83 lines, arcs and shapes, not listed
  text "MS" at -22.59,37.449 h2
  text "DI" at -20.05,37.449 h2
  text "ON" at 7.89,37.449 h2
  text "DO" at 10.43,37.449 h2
  text "TX" at 12.97,37.449 h2
  text "RX" at 15.51,37.449 h2
  text "0" at 18.05,37.449 h2
  text "1" at 20.59,37.449 h2
  text "DO" at -17.51,37.422 h2
  text "CK" at -14.97,37.422 h2
  text "0" at 24.25,7.649 h3
  text "SPI<4>JTAG" at 7.529,7.432 h2
  text "P" at 24.25,-9.329 h3
  text "A7" at -17.633,-29.165 h4
  text "Minima" at -17.633,-32.665 h4
Bottom Overlay:
  drawing of 72 lines, arcs and shapes, not listed
  text "SI GUARANTEED™" at 26.5,-6.5 h2.5
  text "GET MOGGED" at -24,-43 h2.5
Mechanical 1:
  the board outline again, w0.1